# Altium PCB KIPGRDMCU.PcbDoc (part 1 of 2) (continued)
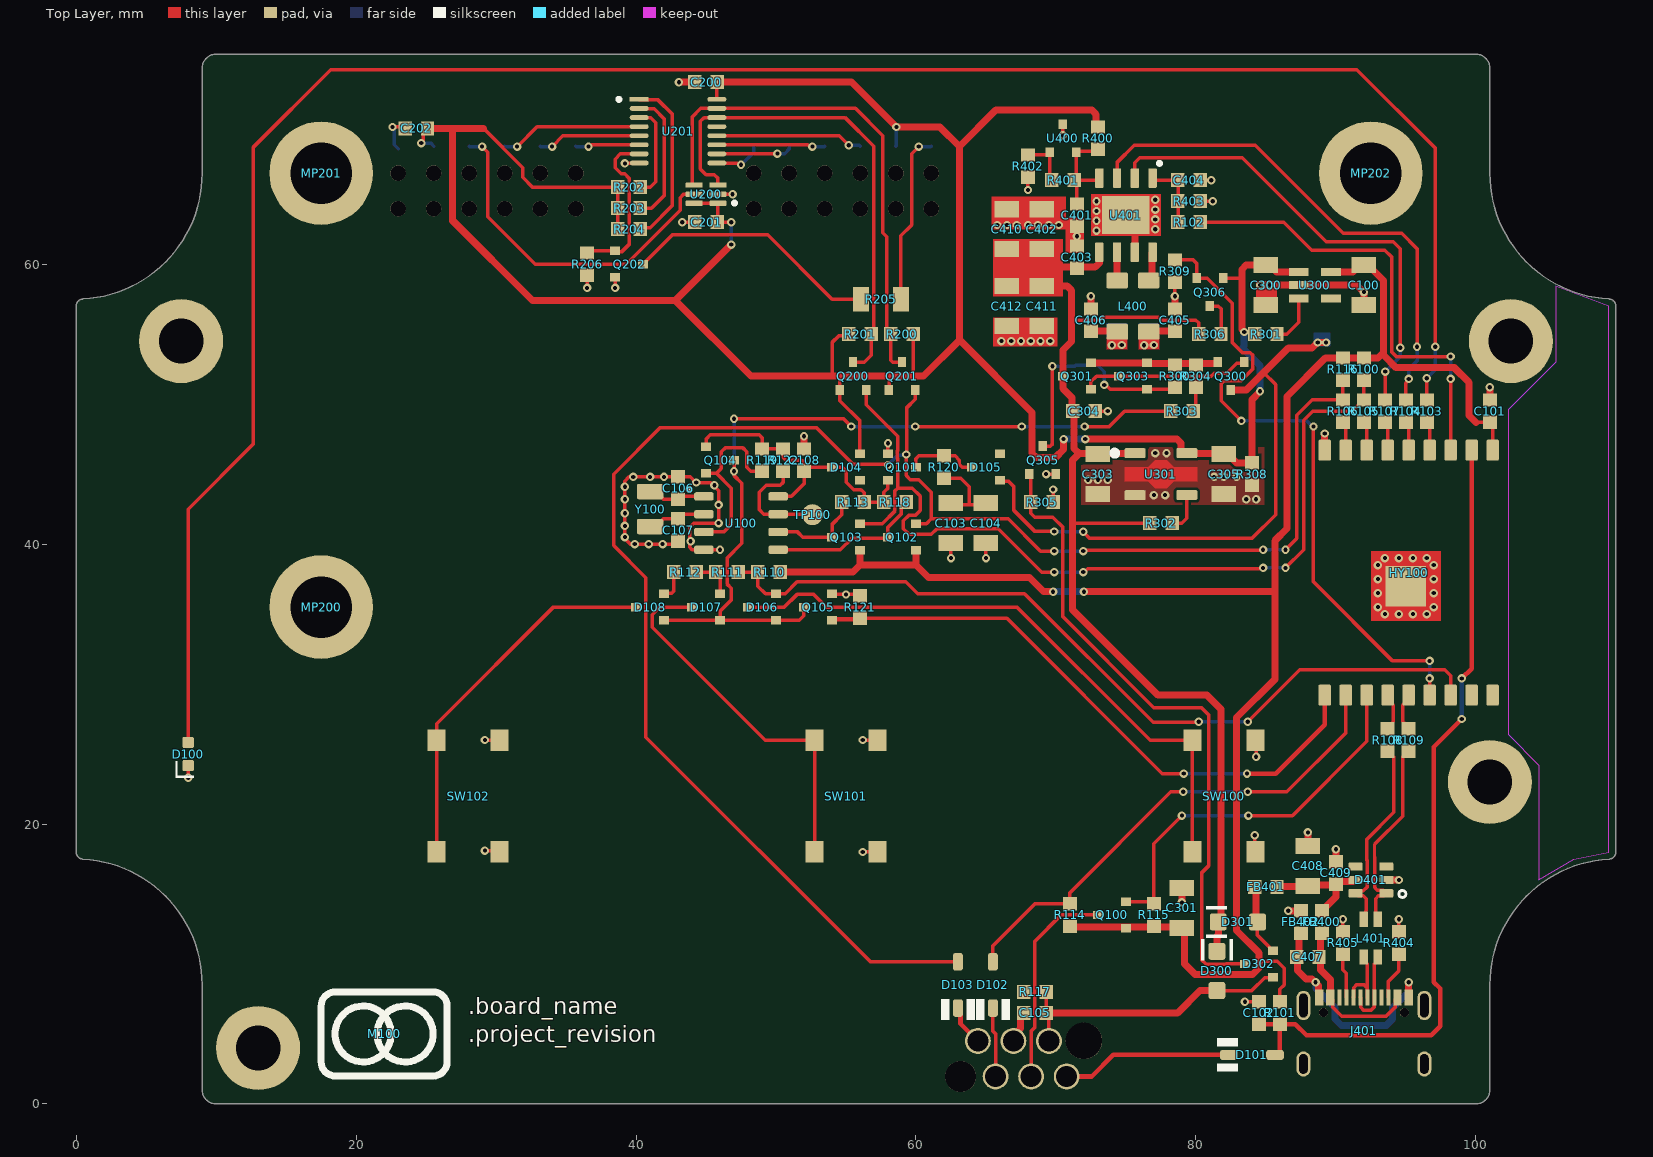
[diagram p0: Top Layer view]
## Footprints (in the part's own frame and the unit in brackets; to place one, negate y for a bottom-side part, rotate by r counter-clockwise, add the part's x,y. Pads: shape width x height; smd on the part's side, far side on the other; paste and mask are expansions set on the pad)
0603-C-N [mm]
  rect 0.95x1 smd: 1(-0.8,0) 2(0.8,0)
  body extent -0.8,-0.4 0.8,0.4, height 0.81
0603-FB-N [mm]
  rect 0.95x1 smd: 1(-0.8,0) 2(0.8,0)
  body extent -0.8,-0.4 0.8,0.4, height 0.8
0603-R-N [mm]
  rect 0.95x1 smd: 1(-0.8,0) 2(0.8,0)
  body extent -0.8,-0.4 0.8,0.4, height 0.47
1206-C-N [mm] "Chip Capacitor, 2-Leads, 1206, IPC Medium Density"
  rect 1.15x1.75 smd: 1(-1.425,0) 2(1.425,0)
  body extent -1.6,-0.8 1.6,0.8, height 1.16
1206-R-N [mm] "Chip Resistor, 2-Leads, 1206, IPC Medium Density"
  rect 1.15x1.75 smd: 1(-1.425,0) 2(1.425,0)
  body extent -1.6,-0.8 1.6,0.8, height 0.62
9774030960 [mm] "SMT Steel Spacer Internal hole diameter 3.3mm non stop, height 3mm"
  round 7.4 / inner round 0 / far side round 0 hole 4.4 unplated: 1(0,0)
  body extent -3,-3 3,3, height 3
"490107670612_Debugging Application" [mm] "REDFIT IDC SKEDD Connector, pitch 2.54mm, 6p"
  round 1.85 hole 1.5: 1(3.175,1.27) 2(1.905,-1.27) 3(0.635,1.27) 4(-0.635,-1.27) 5(-1.905,1.27) 6(-3.175,-1.27)
  round 2.2 hole 2.2 unplated: MH1(-4.405,1.27)
  round 2.6 hole 2.6 unplated: MH2(4.405,-1.27)
  silkscreen extent 3.05,2.58 3.3,2.82, body extent -7.61,-2.8 7.6,2.8, height 10.5
610312243021 [mm] "Socket Header, Pitch 2.54 mm, SMT, Vertical, dual row, 12p"
  rect 0.9x1.8 smd: 1(-6.35,-3.2) 2(-6.35,3.2) 3(-3.81,-3.2) 4(-3.81,3.2) 5(-1.27,-3.2) 6(-1.27,3.2) 7(1.27,-3.2) 8(1.27,3.2) 9(3.81,-3.2) 10(3.81,3.2) 11(6.35,-3.2) 12(6.35,3.2)
  round 1.1 hole 1.1 unplated: MH1(-6.35,-1.27) MH2(-6.35,1.27) MH3(-3.81,-1.27) MH4(-3.81,1.27) MH5(-1.27,-1.27) MH6(-1.27,1.27) MH7(1.27,-1.27) MH8(1.27,1.27) MH9(3.81,-1.27) MH10(3.81,1.27) MH11(6.35,-1.27) MH12(6.35,1.27)
  body extent -7.62,-3.6 7.62,3.6, height 4.68
620102131822 [mm] "2.00mm SMT Male Horizontal Shrouded Header, 2p"
  rrect25% 1x3.5 smd: 1(-1,1.75) 2(1,1.75)
  rrect25% 1.5x3.4 smd: MP1(-3.3,-4) MP2(3.3,-4)
  body extent -4,-5.6 4,3, height 5.57
620103131822 [mm] "2.00mm SMT Male Horizontal Shrouded Header, 3p"
  rrect25% 1.5x3.4 smd: 1(-2,3.2) 2(0,3.2) 3(2,3.2)
  rrect25% 1.4x3.1 smd: MP1(-4.3,-2.45) MP2(4.3,-2.45)
  body extent -5,-3.8 5,4.8, height 5.57
629722000214 [mm] "USB TYPE C VERTICAL PLUG"
  rect 0.6x1.14 smd: A4/B9(-2.4,3.605) A12/B1(3.2,3.605) B4/A9(2.4,3.605) B12/A1(-3.2,3.605)
  rect 0.3x1.14 smd: A5(-1.25,3.605) A6(-0.25,3.605) A7(0.25,3.605) A8(1.25,3.605) B5(1.75,3.605) B6(0.75,3.605) B7(-0.75,3.605) B8(-1.75,3.605)
  round 0.65 hole 0.65 unplated: MH1(-2.89,2.535) MH2(2.89,2.535)
  oval 1x2.1 hole 0.6 slot 1.7 at 90 deg: S1(-4.32,3.035) S4(4.32,3.035)
  oval 1x1.8 hole 0.6 slot 1.4 at 90 deg: S2(-4.32,-1.145) S3(4.32,-1.145)
  body extent -4.79,-3.76 4.79,3.95, height 3.33
ESP32­C3­WROOM­02 [mm]
  rect 2.9x2.9 smd paste+0 mask+0: 0(9.96,6.7)
  rrect25% 1.5x0.9 smd: 1(0.25,12.9) 2(0.25,11.4) 3(0.25,9.9) 4(0.25,8.4) 5(0.25,6.9) 6(0.25,5.4) 7(0.25,3.9) 8(0.25,2.4) 9(0.25,0.9) 10(17.75,0.9) 11(17.75,2.4) 12(17.75,3.9) 13(17.75,5.4) 14(17.75,6.9) 15(17.75,8.4) 16(17.75,9.9) 17(17.75,11.4) 18(17.75,12.9)
  body extent 0,0 18,20, height 3.3
FP-SOD123W-MFG [mm]
  rrect25% 1.2x1.2 smd: 1(-1.4,0) 2(1.4,0)
  silkscreen extent -2.29,-1.14 -0.76,1.14, body extent -2.2,-1.05 2.2,1.05, height 0.25
LCD_1602-BottomEntry [mm]
  rrect25% 0.9x1.8 smd far side: 1(-32,17.43) 2(-29.46,17.43) 3(-26.92,17.43) 4(-24.38,17.43) 5(-21.84,17.43) 6(-19.3,17.43) 7(-16.76,17.43) 8(-14.22,17.43) 9(-11.68,17.43) 10(-9.14,17.43) 11(-6.6,17.43) 12(-4.06,17.43) 13(-1.52,17.43) 14(1.02,17.43) 15(3.56,17.43) 16(6.1,17.43)
  body extent -40,-18 40,18, height 12.81
LOGO_9x6mm [mm]
  silkscreen extent -4.5,-3 4.5,3
SOD-123-N [mm] "Small Outline Diode 123 package - IPC Nominal"
  rrect50% 1.257x0.702 smd: 1(-1.65,0) 2(1.65,0)
  silkscreen extent -2.5,-1.2 -1,1.2, body extent -1.87,-0.85 1.88,0.85, height 1.2
SOIC8_N [mm] "SOIC, 8-Leads, Body 5x4mm, Pitch 1.27mm, IPC Medium Density"
  rrect50% 1.4x0.6 smd mask+0: 1(-2.65,1.905) 2(-2.65,0.635) 3(-2.65,-0.635) 4(-2.65,-1.905) 5(2.65,-1.905) 6(2.65,-0.635) 7(2.65,0.635) 8(2.65,1.905)
  silkscreen extent -3.82,2.28 -3.57,2.52, body extent -3,-2.46 3,2.46, height 1.75
SOIC8_N_EP [mm] "SOIC, 8-Leads, Body 5x4mm, Pitch 1.27mm, IPC Medium Density"
  rrect25% 1.4x0.6 smd: 1(-2.65,1.905) 2(-2.65,0.635) 3(-2.65,-0.635) 4(-2.65,-1.905) 5(2.65,-1.905) 6(2.65,-0.635) 7(2.65,0.635) 8(2.65,1.905)
  rect 2.71x3.4 smd: 9(0,0)
  silkscreen extent -3.82,2.28 -3.58,2.53, body extent -3,-2.46 3,2.46, height 1.75
SOT25-N [mm] "SOT-23-5 IPC Nominal"
  rect 1.407x0.576 smd: 1(-1.151,0.95) 2(-1.151,0) 3(-1.151,-0.95) 4(1.151,-0.95) 5(1.151,0.95)
  body extent -1.42,-1.5 1.42,1.5, height 1.2
SOT363-N [mil] "SOT363 IPC Medium density (Nominal size)"
  rrect25% 47.65x14.65 smd paste+0 mask+0: 1(-33.5,25.59) 2(-33.5,0) 3(-33.5,-25.59) 4(33.5,-25.59) 5(33.5,0) 6(33.5,25.59)
  silkscreen extent -85,20 -75,30, body extent -67,-52 67,52, height 10
SOT-23-3-N [mm] "SOT-23, 3-Leads, Body 3x1.4mm, Pitch 0.95mm, IPC Medium Density"
  rect 0.7x0.6 smd: 1(-1,0.95) 2(-1,-0.95) 3(1,0)
  body extent -1.22,-1.5 1.22,1.5, height 1
SOT-23-6 [mm]
  rrect20% 1x0.58 smd: 1(-1.1,0.95) 2(-1.1,0) 3(-1.1,-0.95) 4(1.1,-0.95) 5(1.1,0) 6(1.1,0.95)
  silkscreen extent -2.5,0.75 -2,1.25, body extent -1.4,-1.45 1.4,1.45, height 1.45
SOT-89-MT5_N [mm] "SOT89, 5-Leads, Body 4.5x2.4 mm, Pitch 1.5mm, Lead Span 4.2mm, IPC Medium Density"
  rrect25% 1.5x0.7 smd: 1(-1.85,1.5) 3(-1.85,-1.5) 4(1.85,-1.5) 5(1.85,1.5)
  round 0.025 smd: 2(0,0)
  Top Layer region: -2.6,-0.5 -2.6,0.5 -0.9,0.5 -0.4,1 0.4,1 0.9,0.5 2.6,0.5 2.6,-0.5 0.9,-0.5 0.4,-1 -0.4,-1 -0.9,-0.5
  silkscreen extent -3.44,1.36 -3.16,1.64, body extent -2.24,-2.25 2.26,2.25, height 1.54
TP_1.5mm [mm]
  round 1.5 smd paste-0.75: 1(0,0)
TSSOP16-0.65-4.4-L [mm] "TSSOP-16 pitch:0.65mm width:4.4mm IPC:Least (high density)"
  rect 1.355x0.341 smd: 1(-2.775,2.275)
  rrect100% 1.355x0.341 smd: 2(-2.775,1.625) 3(-2.775,0.975) 4(-2.775,0.325) 5(-2.775,-0.325) 6(-2.775,-0.975) 7(-2.775,-1.625) 8(-2.775,-2.275) 9(2.775,-2.275) 10(2.775,-1.625) 11(2.775,-0.975) 12(2.775,-0.325) 13(2.775,0.325) 14(2.775,0.975) 15(2.775,1.625) 16(2.775,2.275)
  silkscreen extent -4.35,2.15 -4.1,2.4, body extent -3.2,-2.5 3.2,2.5, height 1.2
WE-CNSW_1206 [mm] "SMT Common Mode Line Filter, 4-leads, body 3.20x1.60mm"
  rect 1.1x0.6 smd: 1(-1.35,0.5) 2(1.35,0.5) 3(1.35,-0.5) 4(-1.35,-0.5)
  body extent -1.6,-0.8 1.6,0.8, height 1.8
WE-CNSW_1812 [mm] "SMT Common Mode Line Filter, 4-leads, body 4.50x3.20mm"
  rrect25% 1.15x1.55 smd: 1(-1.825,1.125) 2(1.825,1.125) 3(1.825,-1.125) 4(-1.825,-1.125)
  body extent -2.25,-1.6 2.25,1.6, height 2.84
WE-XTAL_CFPX-217 [mm] "Quartz Crystal, size CFPX-217, body 3.2x1.5mm"
  rrect25% 1.1x1.9 smd: 1(-1.25,0) 2(1.25,0)
  body extent -1.6,-0.75 1.6,0.75, height 0.75
WL-SMCW_0603_150060xx8x000 [mm] "SMD Mono-color Chip LED, body 1.6x0.8mm"
  rrect25% 0.8x0.8 smd: 1(-0.825,0) 2(0.825,0)
  silkscreen extent -1.7,-0.4 -0.5,0.9, body extent -0.8,-0.4 0.8,0.4, height 0.95
WS-TASV_L6W6H4.3_4301x20438x6 [mm] "SMD Tact Switch, body 6x6mm"
  rect 1.55x1.3 smd: A1(-3.975,2.25) A2(3.975,2.25) B1(-3.975,-2.25) B2(3.975,-2.25)
  body extent -4.5,-3.1 4.5,3.1, height 4.3

## Part data
C100 C103 C104 C300 C301 C303 C305 C402 C408 C410 C411 C412: library part CMP-072-000800-12, "WCAP-CSGP Multilayer Ceramic Chip Capacitor, General Purpose, size 1206, X7R, 10µF, 16VDC", Capacitor Type=MLCC, Case/Package=1206, Dielectric=X7R, Insulation Resistance=0.01GO, JLCPCB Part #=C13585, Max Operating Temperature=125°C, Min Operating Temperature=-55°C, Tolerance=10%, Voltage Rating=16V, ComponentLink1Description="Website Link", ComponentLink1URL=https://www.we-online.com/redexpert/article/885012208041?ad, ComponentLink2Description="Datasheet Link", ComponentLink2URL=https://www.we-online.com/redexpert/spec/885012208041?ad, Design Item ID=885012208041, Dissipation Factor=10%, Height=1.6mm, Length=3.2mm, Match Code=WCAP-CSGP, Mounting Technology=SMT, Packaging="Tape and Reel", Pins=2, Source=WCAP-CSGP.SchLib, Technical Reference=X7R1206106K016DFCT10000, Usage="General Purpose", Width=1.6mm
C101 C105 C108 C200 C201 C202 C401 C403 C407 C409: library part CMP-072-000541-10, "WCAP-CSGP Multilayer Ceramic Chip Capacitor, General Purpose, size 0603, X7R, 100nF, 10VDC", Capacitor Type=MLCC, Case/Package=0603, Dielectric=X7R, Insulation Resistance=5GO, Max Operating Temperature=125°C, Min Operating Temperature=-55°C, Tolerance=10%, Voltage Rating=10V, ComponentLink1Description="Website Link", ComponentLink1URL=https://www.we-online.com/redexpert/article/885012206020?ad, ComponentLink2Description="Datasheet Link", ComponentLink2URL=https://www.we-online.com/redexpert/spec/885012206020?ad, Design Item ID=885012206020, Dissipation Factor=5%, Height=0.8mm, Length=1.6mm, Match Code=WCAP-CSGP, Mounting Technology=SMT, Packaging="Tape and Reel", Pins=2, Source=WCAP-CSGP.SchLib, Technical Reference=X7R0603104K010DFCT10000, Usage="General Purpose", Width=0.8mm
C102 C304: library part CMP-001-00004-18, "Capacitor MLCC, General Purpose, size 0603, X7R, 1µF, +/-10%, 16V", Capacitor Type=MLCC, Case/Package=0603, Dielectric=X7R, JLCPCB Part #=C15849, Max Operating Temperature=125°C, Min Operating Temperature=-55°C, Tolerance=10%, Voltage Rating=16V, Height=0.8mm, Length=1.6mm, Mounting Technology=SMT, Pins=2, RoHS Compliant=True, Usage="General Purpose", Width=0.8mm
C106 C107: library part CMP-001-00107-9, "Capacitor MLCC, General Purpose, size 0603, C0G, 15 pF, +/-5%, 50V", Capacitor Type=MLCC, Case/Package=0603, Dielectric=C0G, Max Operating Temperature=125°C, Min Operating Temperature=-55°C, Tolerance=5%, Voltage Rating=50V, Height=0.8mm, Length=1.6mm, Mounting Technology=SMT, Pins=2, RoHS Compliant=Yes, Usage="General Purpose", Width=0.8mm
C404 C405 C406: library part CMP-072-000561-10, "WCAP-CSGP Multilayer Ceramic Chip Capacitor, General Purpose, size 0603, X7R, 10nF, 16VDC", Capacitor Type=MLCC, Case/Package=0603, Dielectric=X7R, Insulation Resistance=10GO, Max Operating Temperature=125°C, Min Operating Temperature=-55°C, Tolerance=10%, Voltage Rating=16V, ComponentLink1Description="Website Link", ComponentLink1URL=https://www.we-online.com/redexpert/article/885012206040?ad, ComponentLink2Description="Datasheet Link", ComponentLink2URL=https://www.we-online.com/redexpert/spec/885012206040?ad, Design Item ID=885012206040, Dissipation Factor=3.5%, Height=0.8mm, Length=1.6mm, Match Code=WCAP-CSGP, Mounting Technology=SMT, Packaging="Tape and Reel", Pins=2, Source=WCAP-CSGP.SchLib, Technical Reference=X7R0603103K016DFCT10000, Usage="General Purpose", Width=0.8mm
D100: library part CMP-002-001080-4, "WL-SMCW Mono-color Chip LED Waterclear, size 0603, Red, 2V, 60°", Case/Size Code=0603, Emitting Color=Red, Forward Voltage=2V, Manufacturer="Wurth Elektronik", Operating Temperature Max=85°C, Operating Temperature Min=-40°C, Category="Signal LEDs", Chip Technology=AlInGaP, Component Type=Standard, ComponentLink1Description="Website Link", ComponentLink1URL=https://www.we-online.com/redexpert/article/150060RS86000?ad, ComponentLink2Description="Datasheet Link", ComponentLink2URL=https://www.we-online.com/redexpert/spec/150060RS86000?ad, Design Item ID=150060RS86000, Dominant Wavelength=624nm, Height=0.95mm, Length=1.6mm, Luminous Intensity=800mcd, Manufacturer Part Number=150060RS86000, Match Code=WL-SMCW, Mount="Surface Mount", Packaging="Tape and Reel", Peak Wavelength=632nm, Pin Count=2, Source=WL-SMCW.SchLib, Viewing Angle=60°, Width=0.8mm
D101 D102 D103: library part CMP-004-00035-8, "Diode Schottky 30V 200mA (DC) Surface Mount SOD-123", Case/Package=SOD-123, Forward Current=200mA, Forward Current If="200 mA", Forward Voltage=800mV, Ifsm - Forward Surge Current="600 mA", Ir - Reverse Current="2 uA", JLCPCB Part #=C8598, Manufacturer=onsemi, Max Reverse Voltage (DC)=30V, Operating Temperature="-55C to 125C", Reverse Voltage Vr="30 V", Vf - Forward Voltage="800 mV", Datasheet=https://www.onsemi.com/products/discrete-power-modules/schottky-diodes-schottky-rectifiers/bat54t
D104 D105 D106 D107 D108 D302: library part CMP-004-00047-2, "DIODE ARRAY GP 75V 215MA SOT23", Average Rectified Current=215mA, Case/Package=SOT-23-3, Forward Current=150mA, Forward Voltage="1.25 V @ 150 mA", Max Forward Surge Current (Ifsm)=4A, Max Operating Temperature=150°C, Max Repetitive Reverse Voltage (Vrrm)=85V, Max Reverse Voltage (DC)=75V, Min Operating Temperature=-55°C, Package Quantity=1, Lead Free="Lead Free", Mounting Technology="Surface Mount", Packaging="Tape and Reel", Pins=3, Reach SVHC Compliant=No, Reverse Recovery Time=3us, Series=-
D300 D301: library part CMP-004-00046-3, "Diode Schottky 100V 2A 2-Pin SOD-123F T/R", Average Rectified Current=2A, Case/Package=SOD-123F, Forward Voltage="830 mV @ 2 A", Max Reverse Voltage (DC)=100V, Forward Current=2A, Mounting Technology="Surface Mount", Packaging="Tape and Reel", RoHS Compliant=Yes, Series=-
D401: library part CMP-034-000015-5, "WE-TVS TVS Diode - High Speed Series, SOT23-6L, 4+1Channel, 5Vdc", Channel Input Capacitance=2pF, DC Operating Voltage=5V, Manufacturer="Wurth Elektronik", Operating Temperature="-40 to +125degC", Reverse Breakdown Voltage min.=6.1V, Reverse Channel Leakage Current=2uA, Reverse Peak Pulse Current=12A, Channel=4+1, Component Type=Standard, ComponentLink1Description=Manufacturer, ComponentLink1URL=http://www.we-online.de, ComponentLink2Description=Datasheet, ComponentLink2URL=https://www.we-online.com/catalog/datasheet/824015.pdf, Design Item ID=824015, Manufacturer Part Number=824015, Mounting Technology=SMT, Packaging="Tape and Reel", Pin Count=6, Published Date="April 2020", Size=SOT23-6L, Source=WE-TVS.SchLib
FB400 FB401 FB402: library part CMP-066-000122-5, "WE-CBF SMT EMI Suppression Ferrite Bead, size 0603, 600O, 1A", Case/Size Code=0603, DC Resistance Max=0.2O, Manufacturer="Wurth Elektronik", Operating Temperature Max=125°C, Operating Temperature Min=-55°C, Rated Current=1A, Category="Ferrites for PCB Assembly", Component Type=Standard, ComponentLink1Description="Website Link", ComponentLink1URL=https://www.we-online.com/redexpert/article/742792651?ad, ComponentLink2Description="Datasheet Link", ComponentLink2URL=https://www.we-online.com/redexpert/spec/742792651?ad, Design Item ID=742792651, Height=0.8mm, Impedance @100MHz=600O, Impedance Max=800O, Impedance Max Test Condition=200MHz, Length=1.6mm, Manufacturer Part Number=742792651, Match Code=WE-CBF, Mount="Surface Mount", Packaging="Tape and Reel", Pin Count=2, Source=WE-CBF.SchLib, Type="High Current", Width=0.8mm
HY100: library part CMP-019-000004-8, "Module with 4 MB flash and on­board PCB antenna / Built around RISC­V single­core SoC / Supporting 2.4 GHz Wi­Fi and Bluetooth 5", Component Type=Standard, Design Item ID=ESP32-C3-WROOM-02, Pin Count=19, Source=7c7_Modules.SchLib
HY200: library part CMP-000004-14, "2x16 character LCD display"
J100: library part CMP-002-000028-7, "WR-WST REDFIT IDC SKEDD, pitch 2.54mm, 6pins", Contact Resistance max.=10mOhm, Operating Temperature="-25 to +105degC", Rated Current=1A, Working Voltage=100V(AC), ComponentLink1Description=Manufacturer, ComponentLink1URL=http://www.we-online.de, ComponentLink2Description=Datasheet, ComponentLink2URL=https://katalog.we-online.com/em/datasheet/490107670612.pdf, Connector Type=Cable,IDC, Contact Plating=Gold, Design Item ID=490107670612, Gender=Transition, Mounting Technology=Press-In, Packaging=Tube, Part number=490107670612, Pin Number=6, Pitch=2.54mm, Published Date="November 2019", Publisher="Wurth Elektronik", RoHS Compliant=Yes, Series="REDFIT WR-WST", Source=WR-WST.SchLib
J200 J201: library part CMP-045-000113-2, "WR-PHD Socket Header, SMT, pitch 2.54mm, Dual Row, Vertical, 12p", Contact Resistance=20mOhm, Manufacturer="Wurth Elektronik", Operating Temperature="-40 to +125degC", Rated Current=3A, Withstanding Voltage=500VAC, Working Voltage=250VAC, Component Type=Standard, ComponentLink1Description=Manufacturer, ComponentLink1URL=http://www.we-online.de, ComponentLink2Description=Datasheet, ComponentLink2URL=https://www.we-online.com/catalog/datasheet/610312243021.pdf, Design Item ID=610312243021, Gender="Socket Header", Manufacturer Part Number=610312243021, Mounting Technology=SMT, Orientation=Vertical, Packaging="Tape and Reel", Pin Count=12, Pin Number=12, Pitch=2.54mm, Row Number=Dual, Source="WR-PHD_Socket Header.SchLib"
J300: library part CMP-047-000041-7, "WR-WTB SMT Male Horizontal Shrouded Header, pitch 2mm, 3p", Contact Resistance=20mOhm, Operating Temperature="-25 to +85degC", Rated Current=2A, Withstanding Voltage=800VAC, Working Voltage=100VAC, Component Type=Standard, ComponentLink2Description=Datasheet, ComponentLink2URL=https://www.we-online.com/catalog/datasheet/620103131822.pdf, Design Item ID=620103131822, Gender=Male, Mounting Technology=SMT, Packaging="Tape and Reel", Part number=620103131822, Pin Count=3, Pin Number=3, Pitch=2mm, Published Date="January 2020", Publisher="Wurth Elektronik", Source=WR-WTB_2.00mm.SchLib, Type=Horizontal
J400: library part CMP-047-000040-8, "WR-WTB SMT Male Horizontal Shrouded Header, pitch 2mm, 2p", Contact Resistance=20mOhm, Operating Temperature="-25 to +85degC", Rated Current=2A, Withstanding Voltage=800VAC, Working Voltage=100VAC, Component Type=Standard, ComponentLink1Description=Manufacturer, ComponentLink1URL=http://www.we-online.de, ComponentLink2Description=Datasheet, ComponentLink2URL=https://www.we-online.com/catalog/datasheet/620102131822.pdf, Design Item ID=620102131822, Gender=Male, Mounting Technology=SMT, Packaging="Tape and Reel", Part number=620102131822, Pin Count=2, Pin Number=2, Pitch=2mm, Published Date="January 2020", Publisher="Wurth Elektronik", Source=WR-WTB_2.00mm.SchLib, Type=Horizontal
J401: library part CMP-088-000027-3, "WR-USB 2.0 Type C, Receptacle, Horizontal, SMT", Manufacturer="Wurth Elektronik", Operating Temperature Max=85°C, Operating Temperature Min=-40°C, Rated Current=5A, Working Voltage=20VAC, Application="USB 2.0", Category="Input/Output Connectors", Component Type=Standard, ComponentLink1Description="Website Link", ComponentLink1URL=https://www.we-online.com/redexpert/article/629722000214?ad, ComponentLink2Description="Datasheet Link", ComponentLink2URL=https://www.we-online.com/redexpert/spec/629722000214?ad, Design Item ID=629722000214, Gender=Receptacle, Interface Type="Type C", Manufacturer Part Number=629722000214, Match Code=WR-USB, Mount="Surface Mount", Number of Pins=16, Number of Ports=1, Orientation=Horizontal, Packaging="Tape and Reel", Pin Count=13, Source=WR-USB.SchLib
L400: library part CMP-061-000026-5, "WE-CNSW SMT Common Mode Line Filter, size 1812, 90Ohm, 0.3uH, 60V", Case/Size Code=1812, DC Resistance Max=0.05Ohm, Inductance=0.3uH, Insulation Test Voltage=125VAC, Operating Temperature Max=125°C, Operating Temperature Min=-40°C, Rated Current=2A, Rated Voltage=60V, Category="Common Mode Chokes", Component Type=Standard, ComponentLink1Description="Manufacturer Link", ComponentLink1URL=https://www.we-online.com/redexpert/article/744235900?ad, ComponentLink2Description=Datasheet, ComponentLink2URL=https://www.we-online.com/redexpert/spec/744235900?ad, Design Item ID=744235900, Height=2.8mm, Impedance @100MHz=90Ohm, Length=4.5mm, Match Code=WE-CNSW, Mount="Surface Mount", Packaging="Tape and Reel", Pin Count=4, Source=WE-CNSW.SchLib, Width=3.2mm, Winding Style=bifiliar
L401: library part CMP-061-000012-4, "WE-CNSW SMT Common Mode Line Filter, size 1206, 90Ohm, 0.111uH, 50V", Case/Size Code=1206, DC Resistance Max=0.3Ohm, Inductance=0.111uH, Insulation Test Voltage=125VAC, Operating Temperature Max=125°C, Operating Temperature Min=-40°C, Rated Current=0.37A, Rated Voltage=50V, Category="Common Mode Chokes", Component Type=Standard, ComponentLink1Description="Manufacturer Link", ComponentLink1URL=https://www.we-online.com/redexpert/article/744232090?ad, ComponentLink2Description=Datasheet, ComponentLink2URL=https://www.we-online.com/redexpert/spec/744232090?ad, Design Item ID=744232090, Height=1.8mm, Impedance @100MHz=90Ohm, Length=3.2mm, Match Code=WE-CNSW, Mount="Surface Mount", Packaging="Tape and Reel", Pin Count=4, Source=WE-CNSW.SchLib, Width=1.6mm, Winding Style=bifiliar
MP200 MP201 MP202: library part CMP-002-001388-1, "WA-SMST SMT Steel Spacer, OD 6mm, hole 3.3mm x 3mm", Manufacturer="Wurth Elektronik", Operating Temperature Max=150°C, Operating Temperature Min=-55°C, Category="SMT Spacers", Component Type=Standard, ComponentLink1Description="Website Link", ComponentLink1URL=https://www.we-online.com/redexpert/article/9774030960R?ad, ComponentLink2Description="Datasheet Link", ComponentLink2URL=https://www.we-online.com/redexpert/spec/9774030960R?ad, Design Item ID=9774030960R, Height=3mm, Inside Diameter=3.3mm, Manufacturer Part Number=9774030960R, Match Code=WA-SMST, Material=Steel, Mount="Surface Mount", Outside Diameter=6mm, Packaging="Tape and Reel", Pin Count=1, Source=WA-SMST.SchLib, Surface=Tin
Q100 Q102 Q103 Q104 Q105 Q200 Q201 Q202 Q305 Q306: library part CMP-013-00055-4, "Transistor MOSFET N-Ch. 25V 220mA 0, 35W 4Ohm SOT23", Case/Package=SOT-23-3, Continuous Drain Current (ID)=220mA, Drain to Source Resistance=5R, Drain to Source Voltage (Vdss)=25V, Gate to Source Voltage (Vgs)=8V, Input Capacitance=9.5pF, Max Operating Temperature=150°C, Max Power Dissipation=350mW, Min Operating Temperature=-55°C, Package Quantity=3000, Fall time=6ns, Height=1.2mm, Id - Continuous Drain Current=220mA, Length=2.9mm, Mounting Technology="Surface Mount", Number of Channels=1, Packaging="Tape and Reel", Pins=3, Polarity=N-CHANNEL, Rds On Max=4R, Rise Time=6ns, Series=-, Transistor Type=NMOS, Turn-Off Delay Time=3.5ns, Turn-On Delay Time=3.2ns, Vds Max=25V, Vgs (Max)=8V, Vgs(th) (Max) @ Id="1.06V @250µA", Weight=0.001093oz, Width=1.3mm
Q101: library part CMP-013-00057-3, "Mosfet, N-Ch, 100V, 0.19A, Sot-23 Rohs Compliant: Yes", Case/Package=SOT-23-3, Id - Continuous Drain Current=190mA, Power=360mW, Rds On Max=2.9Ohm, Transistor Type=NMOS, Vds Max=100V, Vgs(th) (Max) @ Id="-1.8V @ 50µA"
Q300 Q301 Q303: library part CMP-013-00056-2, "Trans Mosfet P-ch 30V 4.2A 3-PIN SOT-23 T/r", Case/Package=SOT-23-3, Id - Continuous Drain Current=4.2A, Input Capacitance=1.05nF, Max Operating Temperature=150°C, Max Power Dissipation=400mW, Min Operating Temperature=-55°C, Mounting Technology="Surface Mount", Packaging="Cut Tape", Rds On Max=60mR, RoHS Compliant=Yes, Series=-, Transistor Type=PMOS, Vds Max=30V, Vgs(th) (Max) @ Id="-1.3V @ 250µA"
R100 R101 R102 R110 R111 R112 R113 R114 R115 R116 R117 R118 R200 R201 R309: library part CMP-009-00243-9, "Chip Resistor, Thick Film, General Purpose, 0603, 100mW, 75V, 3.3 kOhm, +/-1%", Case/Package=0603, JLCPCB Part #=C22978, Max Operating Temperature=155°C, Min Operating Temperature=-55°C, Power Rating=100mW, Resistor Type="Thick Film", Tolerance=1%, Voltage Rating=75V, Elements=1, Mounting Technology=SMT, Pins=2, RoHS Compliant=Yes, Usage="General Purpose"
R103 R120: library part CMP-009-00232-9, "Chip Resistor, Thick Film, General Purpose, 0603, 63mW, 75V, 100 Ohm, +/-1%", Case/Package=0603, JLCPCB Part #=C22775, Max Operating Temperature=155°C, Min Operating Temperature=-55°C, Power Rating=63mW, Resistor Type="Thick Film", Temperature Coefficient=100ppm/°C, Tolerance=1%, Voltage Rating=75V, Elements=1, Mounting Technology=SMT, Pins=2, RoHS Compliant=Yes, Usage="General Purpose"
R104 R105 R106 R107 R108 R109: library part CMP-009-00027-17, "Chip Resistor, Thick Film, General Purpose, 0603, 100mW, 75V, 22 Ohm, +/-1%", Case/Package=0603, Max Operating Temperature=155°C, Min Operating Temperature=-55°C, Power Rating=100mW, Resistor Type="Thick Film", Tolerance=1%, Voltage Rating=75V, Elements=1, Mounting Technology=SMT, Pins=2, RoHS Compliant=True, Usage="General Purpose"
R119 R121 R122 R300 R302 R304 R305 R308: library part CMP-009-00023-19, "Chip Resistor, Thick Film, General Purpose, 0603, 100mW, 75V, 100 kOhm, +/-1%", Case/Package=0603, JLCPCB Part #=C25803, Max Operating Temperature=155°C, Min Operating Temperature=-55°C, Power Rating=100mW, Resistor Type="Thick Film", Tolerance=1%, Voltage Rating=75V, Elements=1, Mounting Technology=SMT, Pins=2, RoHS Compliant=True, Usage="General Purpose"
R202 R203 R204 R206: library part CMP-009-00182-14, "Chip Resistor, Thin Film, Precision, 0603, 100mW, 75V, 10 kOhm, +/-0.05%", Case/Package=0603, Max Operating Temperature=155°C, Min Operating Temperature=-55°C, Power Rating=100mW, Resistor Type="Thin Film", Temperature Coefficient=10ppm/°C, Tolerance=0.05%, Voltage Rating=75V, Elements=1, Features="Automotive AEC-Q200", Lead Free="Lead Free", Mounting Technology=SMT, Packaging="Tape and Reel", Pins=2, RoHS Compliant=True, Usage=Precision
R205: library part CMP-009-00002-19, "Chip Jumper, Thick Film, Jumper, 1206, 250mW, 2A, 0 Ohm, <50 mOhm", Case/Package=1206, Current Rating=2A, Max Operating Temperature=155°C, Min Operating Temperature=-55°C, Power Rating=250mW, Resistor Type="Thick Film", Tolerance="50 mOhm", Voltage Rating=200V, Elements=1, Mounting Technology=SMT, Pins=2, RoHS Compliant=True, Usage=Jumper
R301: library part CMP-009-00006-18, "Chip Jumper, Thick Film, Jumper, 0603, 100mW, 1A, 0 Ohm, <50 mOhm", Case/Package=0603, Current Rating=1A, JLCPCB Part #=C21189, Max Operating Temperature=155°C, Min Operating Temperature=-55°C, Power Rating=100mW, Resistor Type="Thick Film", Tolerance="50 mOhm", Voltage Rating=75V, Elements=1, Mounting Technology=SMT, Pins=2, RoHS Compliant=True, Usage=Jumper
R303 R306: library part CMP-009-00017-18, "Chip Resistor, Thick Film, General Purpose, 0603, 100mW, 75V, 10 kOhm, +/-1%", Case/Package=0603, JLCPCB Part #=C25804, Max Operating Temperature=155°C, Min Operating Temperature=-55°C, Power Rating=100mW, Resistor Type="Thick Film", Tolerance=1%, Voltage Rating=75V, Elements=1, Mounting Technology=SMT, Pins=2, RoHS Compliant=True, Usage="General Purpose"
R400: library part CMP-009-00014-19, "Chip Resistor, Thick Film, General Purpose, 0603, 100mW, 75V, 1 kOhm, +/-1%", Case/Package=0603, JLCPCB Part #=C21190, Max Operating Temperature=155°C, Min Operating Temperature=-55°C, Power Rating=100mW, Resistor Type="Thick Film", Tolerance=1%, Voltage Rating=75V, Elements=1, Mounting Technology=SMT, Pins=2, RoHS Compliant=True, Usage="General Purpose"
R401: library part CMP-009-00245-8, "Chip Resistor, Thick Film, General Purpose, 0603, 100mW, 75V, 22 Ohm, +/-1%", Case/Package=0603, Max Operating Temperature=155°C, Min Operating Temperature=-55°C, Power Rating=100mW, Resistor Type="Thick Film", Tolerance=1%, Voltage Rating=75V, Elements=1, Mounting Technology=SMT, Pins=2, RoHS Compliant=Yes, Usage="General Purpose"
R402: library part CMP-009-00275-5, "Res Thick Film 0603 27K Ohm 1% 0.1W(1/10W) ±100ppm/C Pad SMD Automotive T/R", Case/Package=0603, Max Power Dissipation=100mW, Tolerance=1%, Usage="General Purpose"
R403: library part CMP-009-00284-4, "Res Thick Film 0603 15K Ohm 1% 1/10W ±100ppm/°C Molded SMD Paper T/R", Case Code (Imperial)=0603, Case Code (Metric)=1608, Max Operating Temperature=155°C, Max Power Dissipation=100mW, Min Operating Temperature=-55°C, Package Quantity=1, Resistance Tolerance=1%, Resistor Type="Thick Film", Temperature Coefficient=100ppm/°C, Voltage Rating=50V, Case/Package=0603, Construction=Rectangular, Depth=0.8mm, Features="Moisture Resistant", Height=0.022inch, Lead Free="Lead Free", Length=0.063inch, Military Standard=Not, Number of Terminations=2, Packaging="Tape and Reel", Pins=2, Power Rating=100mW, RoHS Compliant=Yes, Series=RC, Termination=SMD/SMT, Tolerance=1%, Usage="General Purpose", Voltage Rating (DC)=50V, Width=0.031inch
R404 R405: library part CMP-009-00192-11, "Chip Resistor, Thick Film, General Purpose, 0603, 100mW, 75V, 5.1 kOhm, +/-1%", Case/Package=0603, Max Operating Temperature=155°C, Min Operating Temperature=-55°C, Power Rating=100mW, Resistor Type="Thick Film", Temperature Coefficient=100ppm/°C, Tolerance=1%, Voltage Rating=75V, Elements=1, Mounting Technology=SMT, Packaging="Cut Tape", Pins=2, REACH SVHC="No SVHC", Usage="General Purpose"
SW100 SW101 SW102: library part CMP-002-000142-4, "WS-TASV SMT Tact Switch, 12VDC, 50mA, 160g, height 4.3mm", Actuator Color=Black, Manufacturer="Wurth Elektronik", Operating Temperature max.=85C, Operating Temperature min.=-40C, Rated Current=50mA, Rated Voltage=12V, Component Type=Standard, ComponentLink1Description="Manufacturer Link", ComponentLink1URL=http://www.we-online.de, ComponentLink2Description=Datasheet, ComponentLink2URL=https://www.we-online.com/catalog/datasheet/430182043816.pdf, Contact Material="Stainless Steel", Contact Plating=Silver, Design Item ID=430182043816, Electrical Life=1000000Cycles, Height=4.3mm, Length=6mm, Manufacturer Part Number=430182043816, Mounting Technology=SMT, Operation Force=160g, Packaging="Tape and Reel", Pin Count=4, Source=WS-TASV.SchLib, Terminal Material="Copper Alloy", Terminal Plating=Silver, Washable=No, Width=6mm
TP100: library part CMP-027-000000-13, "Testpad land", Component Type=Standard, Design Item ID=Testpad, Pin Count=1, Source=7c7_Connectors.SchLib
U100: library part CMP-023-00005-2, "Real Time Clock Serial Clock/Calendar/Alarm/Interrupt/Square-Wave Output 8-Pin SOIC T/R", Case/Package=SOIC, Max Operating Temperature=85°C, Min Operating Temperature=-40°C, Package Quantity=1, Date Format=YY-MM-DD-dd, Interface=I2C,Serial,2-Wire, Mounting Technology="Surface Mount", Packaging="Cut Tape", Pins=8, RoHS Compliant=Yes, Time Format="HH:MM:SS (12/24 hr)"
U200: library part CMP-015-00026-1, "Digital Potentiometer 10kOhm 128POS Volatile Linear Automotive 6-Pin SC-70 T/R", Case/Package=SC, Max Operating Temperature=125°C, Max Supply Voltage=5.5V, Min Operating Temperature=-40°C, Min Supply Voltage=1.8V, Nominal Supply Current=45uA, Package Quantity=3000, Resistance Tolerance=20%, Temperature Coefficient=150ppm/°C, Height=0.9mm, Interface=I2C,Serial,2-Wire, Lead Free="Lead Free", Length=2mm, Memory Format=Volatile, Mounting Technology="Surface Mount", Number of Circuits=1, Number of Elements=1, Number of Positions=128, Number of Taps=128, Packaging="Tape and Reel", Pins=6, Radiation Hardening=No, Reach SVHC Compliant=Yes, RoHS Compliant=Yes, Supply Current=45uA, Tolerance=20%, Width=1.25mm
U201: library part CMP-000028-10, "8-bit I/O expander, I2C/SMBus, 400kHz, 1.65 to 5.5V, TSSOP-16", Case/Package=TSSOP, Frequency=400kHz, Max Operating Temperature=85°C, Min Operating Temperature=-40°C, Interface=I2C, Lead Free="Lead Free", Mounting Technology="Surface Mount", Number of I/Os=8, Number of Outputs=8, Output Type=PUSH-PULL, Packaging="Cut Tape", Pins=16, RoHS Compliant=Yes, Series=-
U300: library part CMP-019-00081-3, "Linear Voltage Regulator IC Positive Fixed 1 Output 1A SOT-25-5", Case/Package=SOT-23-5, Max Input Voltage=6V, Min Input Voltage=4V, Output Current=1A, Output Voltage=3.3V
U301: library part CMP-019-00086-6, "LDO Regulator Pos 5V 0.5A Automotive 6-Pin(5+Tab) SOT-89 T/R", Case/Package=SOT-89-5, Dropout Voltage=225mV, Max Input Voltage=24V, Min Input Voltage=4V, Nominal Output Voltage=5V, Output Current=500mA, Output Type=Fixed, Output Voltage=5V
U400: library part CMP-019-00078-4, "Adjustable Shunt Voltage Reference 1.24 - 16V; +/-0.5%; 3-Pin SOT-23", Case/Package=SOT-23-3, Cathode Current=80uA, Max Input Voltage=18V, Max Operating Temperature=85°C, Max Output current=20mA, Max Output Voltage=16V, Min Operating Temperature=-40°C, Min Output Voltage=1.24V, Package Quantity=3000, Tolerance=0.5%, Accuracy=0.5%, Halogen Free="Halogen Free", Height=1.01mm, Lead Free="Lead Free", Length=3.04mm, Mount="Surface Mount", Number of Channels=1, Number of Pins=3, Output Current=20mA, Output Type=Adjustable, Output Voltage=16V, Output voltage (max)=16V, Packaging="Tape and Reel", Radiation Hardening=No, Reach SVHC Compliant=Yes, Reference Type=Shunt,Adjustable, Reference Voltage=1.24V, RoHS Compliant=Yes, Series=-, Sink current=20mA, Width=1.4mm
U401: library part CMP-001-0029-2, "35-V, 3.7-A H-bridge motor driver with integrated current regulation & current-sense feedback 8-SO PowerPAD -40 to 150"